# KiCad board RBCX.kicad_pcb (continued)
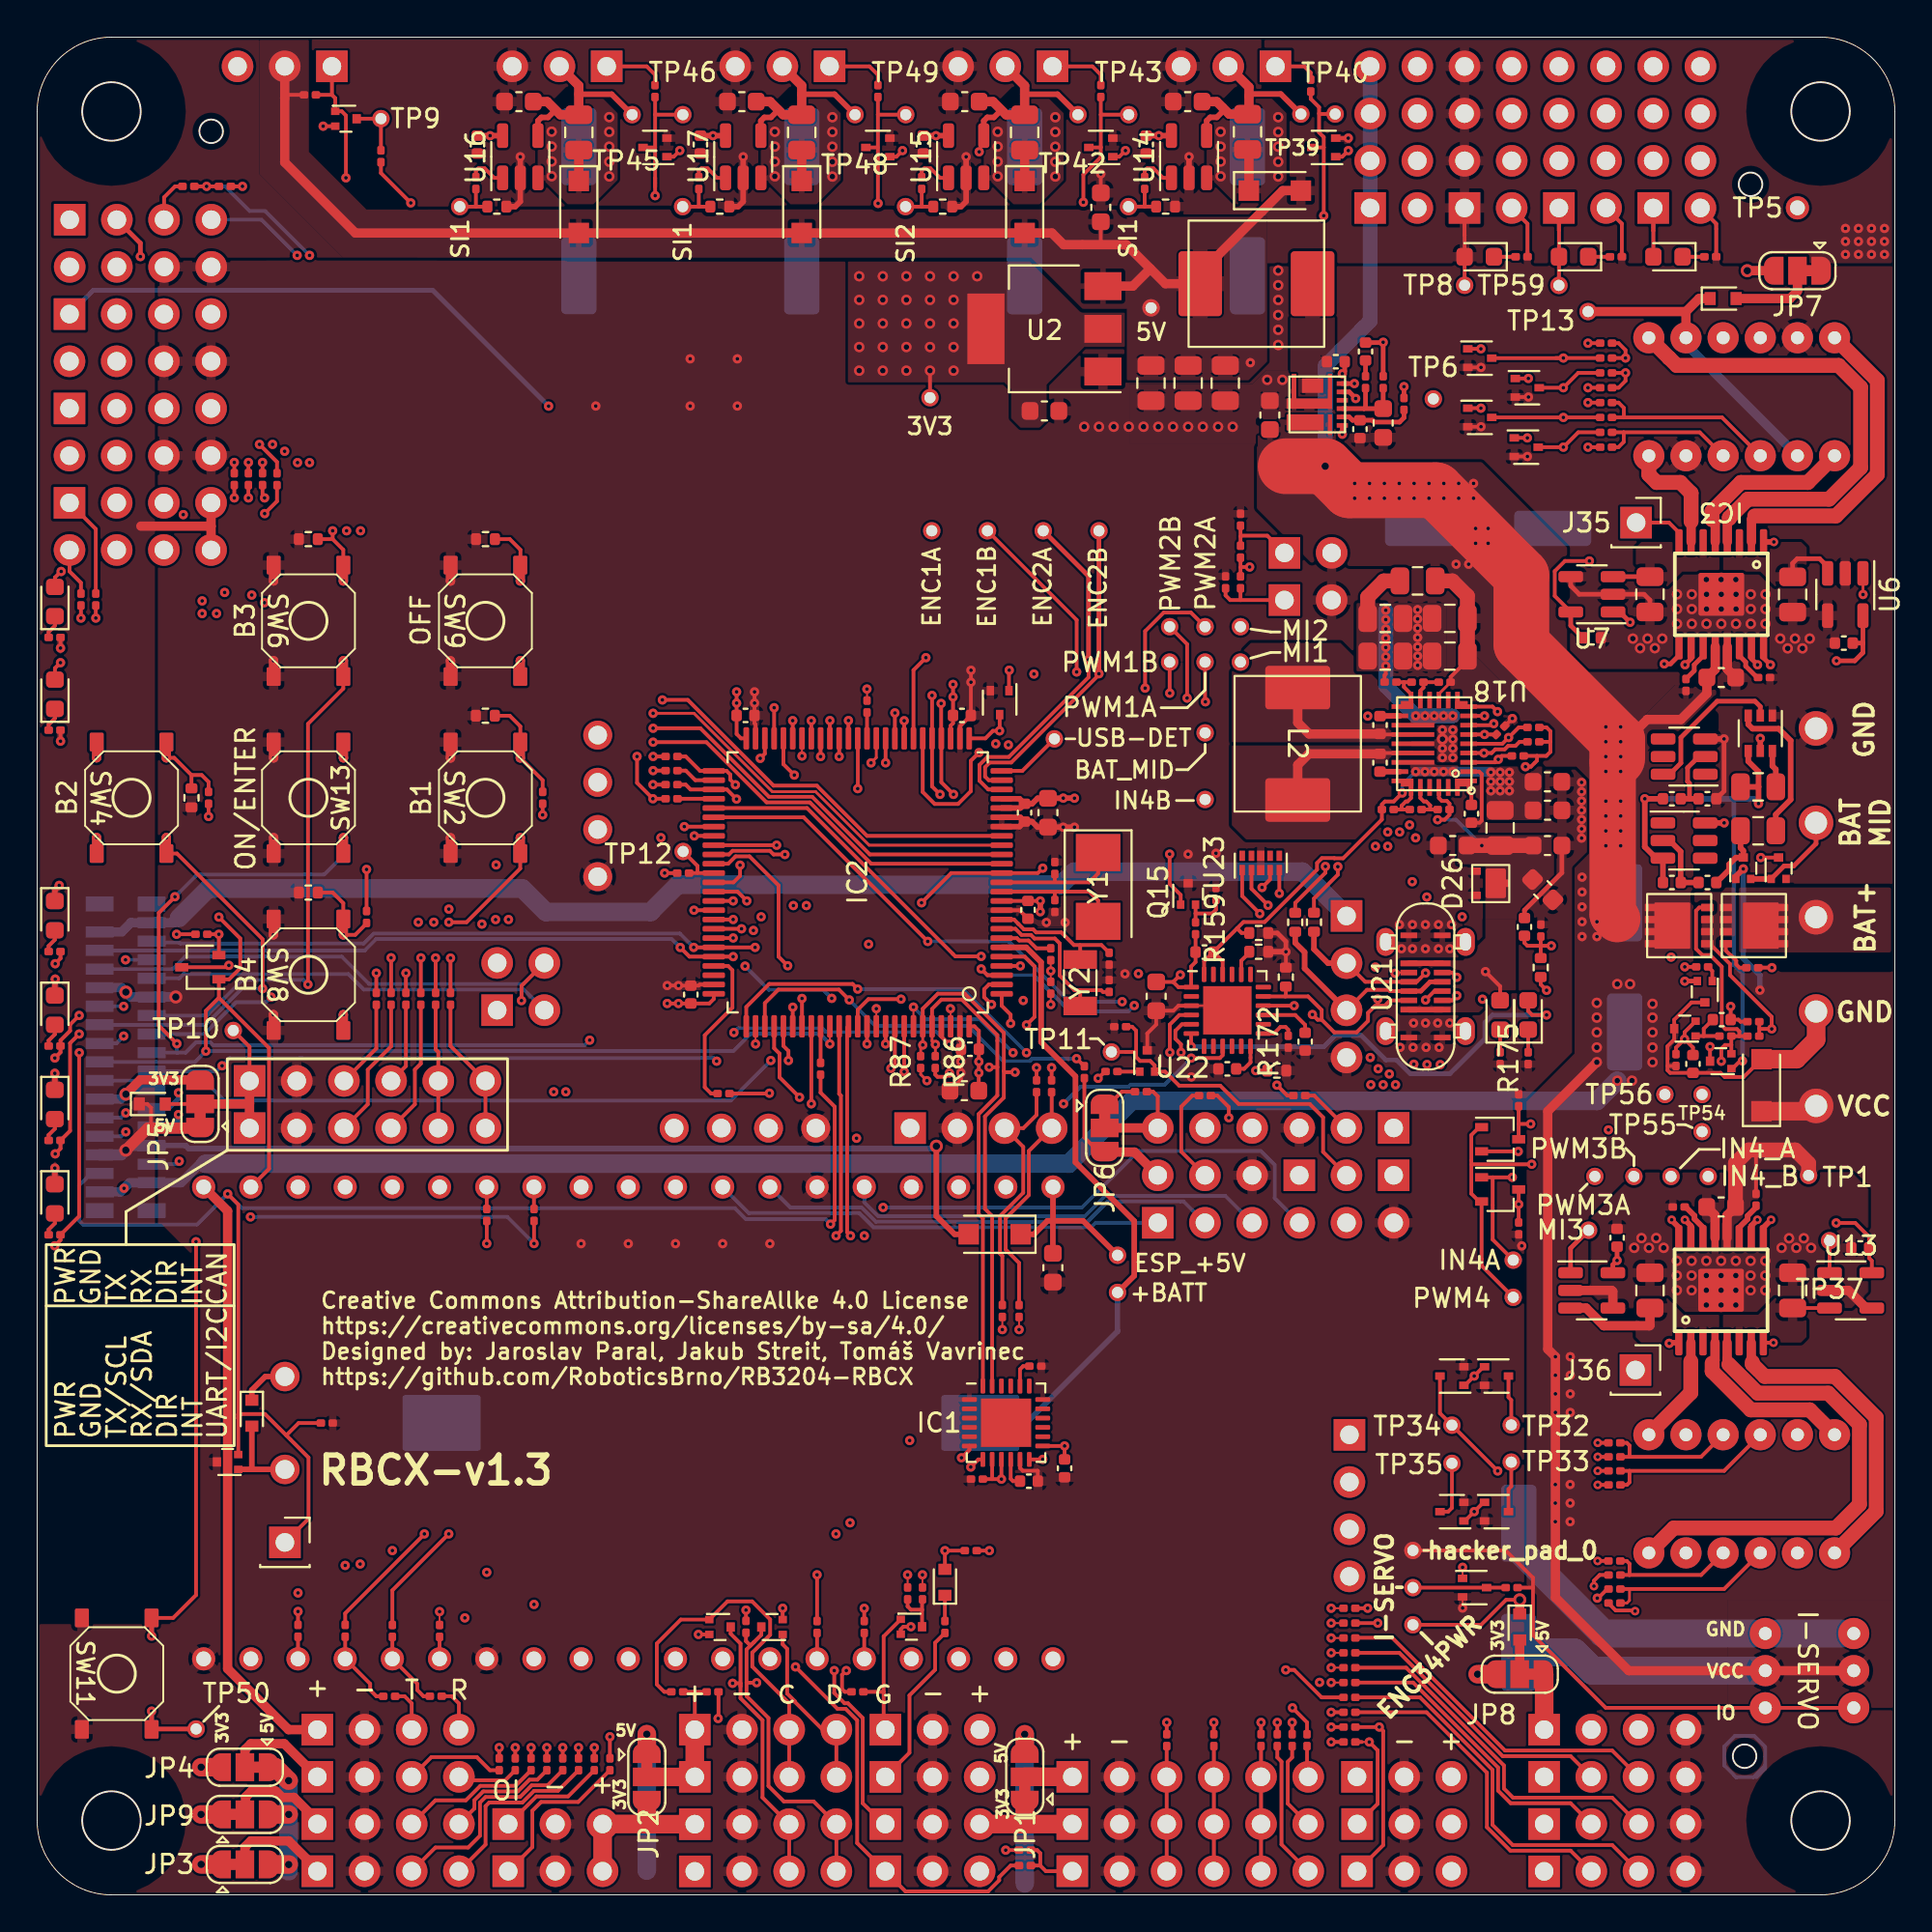
[diagram p0: board, top side]
## Routing (per net, layer and track width the routed paths; a pad name or vN(x,y) marks a point on that pad's centre or on a via; arc(x,y) is an arc through that point) (continued)
/Coprocessor/UTS4_ECHO: length 84.1
  Top w0.1: 70.32,15.43 v1(69.66,15.43)
  Top w0.2: v1(47.94,51.32) 41.26,58 IC2.56
  In1.Cu w0.15: v1(75.53,44.69) 76.12,44.1 76.12,33.19 69.09,26.17 69.09,15.99 v1(69.66,15.43)
  In2.Cu w0.1: v1(75.53,44.69) 76.44,44.69 77.62,45.87 77.62,47.16 77.09,47.69 72.09,47.69 70.93,46.53 68.08,46.53 66.2,48.42 58.74,48.42 v1(58.41,48.08)
  Bottom w0.2: v1(58.41,48.08) 55.55,48.08 52.31,51.32 v1(47.94,51.32)
/Coprocessor/UTS4_TRIG: length 62.3
  Top w0.1: 70.32,14.63 v1(69.66,14.63)
  Top w0.2: v1(50.82,49.84) 51.16,49.5 IC2.3
  In1.Cu w0.15: v1(74.82,44.7) 74.82,43.99 75.84,42.97 75.84,33.31 68.81,26.27 68.81,15.48 v1(69.66,14.63)
  In2.Cu w0.1: v1(74.82,44.7) 74.38,45.13 72.65,45.13 71.45,46.33 68,46.33 66.12,48.22 59.4,48.22 v1(59.06,47.87)
  Bottom w0.2: v1(50.82,49.84) 51.15,49.51 53.64,49.51 55.59,47.56 58.75,47.56 v1(59.06,47.87)
/Coprocessor/V_BAT/2: length 43.7
  Top w0.2: C73.1 80.06,51.24 80.22,51.09 80.94,51.09 ; 80.94,51.09 v1(81.51,51.09) ; 80.94,51.09 R155.2 ; 80.94,51.09 80.94,51.58 R156.2 ; IC2.26 51.04,62.25 51.45,62.66 v1(51.81,62.66) 51.81,62.66 D24.3
  In1.Cu w0.15: v1(81.51,51.09) 81.51,51.9 76.7,56.71 75.48,56.71 71.63,60.57 v1(71.63,63.45)
  In2.Cu w0.15: TP53.P$1 62.87,63.17 62.88,63.18 ; 62.88,63.18 71.35,63.18 v1(71.63,63.45) ; 62.88,63.18 52.33,63.18 v1(51.81,62.66)
/Coprocessor/VUSB_DET: length 15.3
  Top w0.2: IC2.25 53.03,60.5 TP58.P$1 ; v1(60.96,56.02) 60.96,54.42 61.56,53.83 Q15.1
  In1.Cu w0.2: v1(60.96,56.02) TP58.P$1
/ENC3B/SW0: length 91
  Top w0.2: 60.32,41.28 60.32,42.98 60.07,43.23 R48.1 ; IC2.89 v1(44.67,45.8) ; 79.2,20.63 79.2,21.84 79.35,21.99 TP33.P$1 ; R105.2 v5(84.01,22.82)
  Top w0.5: 60.32,41.28 JP6.2
  In1.Cu w0.15: v1(59.28,49.59) 60.32,48.55 60.32,41.28 ; v5(84.01,22.82) 79.82,22.82 TP33.P$1 78.32,24.32 78.32,44.92 78.65,45.24 78.65,51.49 77.49,52.65 v1(76.71,52.65)
  In2.Cu w0.1: 59.26,49.02 59.28,49.04 v1(59.28,49.59) ; 59.26,49.02 67.93,49.02 70.07,51.16 71.11,51.16 72.61,52.65 v1(76.71,52.65) ; 59.26,49.02 45.63,49.02 44.67,48.05 v1(44.67,45.8)
/ESP/ESP-3V3: length 191.4
  Top w0.2: J48.1 87,89.59 87,89.59 ; 87,89.59 87,90.53 ; 87,89.59 87,88.18
  Top w0.5: J47.1 13.53,8.89 10.25,12.17 10.25,36.81 IM3.1
  In2.Cu w0.5: J48.7 J48.5 J48.3 J48.1 85.09,88.9 1.31,88.9 0.31,87.9 0.31,50.01 0.33,50 0.33,45.46 0.32,45.44 0.32,41.79 3.38,38.73 8.34,38.73 IM3.1
  Bottom w0.2: J48.1 87,89.75 87,89.74 ; 87,89.74 87,90.53 ; 87,89.74 87,88.18
/ESP/ESP-UART-RX: length 2.5
  Top w0.2: J47.4 22.7,10.3 22.31,10.69 R135.2
/ESP/ESP-UART-TX: length 2.5
  Top w0.2: R134.2 19.78,10.69 20.16,10.31 J47.3
/ESP/ESP_+5V: length 9.9
  Top w0.25: 54.68,36.28 54.68,36.29
  Top w0.3: C57.1 54.68,36.28 ; 54.68,36.28 56.3,36.28 TP51.P$1 ; 54.68,36.28 54.38,36.28 53.66,35.56 D22.1 ; IM3.19 54.68,36.29
/ESP/EXPANDER_RX: length 1.4
  Top w0.2: R141.1 41.98,12.7
/ESP/EXPANDER_TX: length 1.4
  Top w0.2: R140.1 IM3.24
/ESP/GPIO2: length 1.2
  Top w0.2: 26.74,38.1 26.74,36.92 R7.1
/ESP/I2C_SCL: length 1.2
  Top w0.2: R2.1 IM3.36
/ESP/I2C_SDA: length 1.2
  Top w0.2: R4.1 21.66,12.7
/ESP/UART_RX: length 4.2
  Top w0.2: R137.1 IM3.34 20.46,11.36 20.46,11.02 20.79,10.69 R135.1
/ESP/UART_TX: length 4.3
  Top w0.2: R134.1 18.26,10.69 17.93,11.02 17.93,11.36 16.58,12.7 R136.1
/ESP_EN: length 152.4
  Top w0.1: IC2.85 v1(42.67,45.8)
  Top w0.2: v1(9.78,52.63) 10.93,51.48 10.93,49.88 10.33,49.28 9.78,49.28 9.78,48.29 ; SW11.1 7.32,14.91 8.55,16.14 v1(8.55,35.16) ; 11.5,38.1 12.48,39.08 12.48,45.59 9.78,48.29 ; v1(9.08,45.42) 9.08,47.59 9.78,48.29 ; R78.1 v1(9.12,91.97) R75.2 ; v1(15.4,95.21) Q4.2
  Top w0.25: v1(6.16,13.93) SW11.1 ; v1(6.16,9.89) SW11.1 6.18,8.93 TP50.P$1
  In1.Cu w0.2: v1(6.16,9.89) v1(6.16,13.93) ; v1(14.66,88.25) v1(14.66,77.1) ; v1(9.78,52.63) 10.42,53.27 10.42,67.75 v1(12.23,69.56)
  In2.Cu w0.15: v1(15.4,95.21) 12.36,95.21 v1(9.12,91.97)
  In2.Cu w0.2: v1(8.55,35.16) 11.5,38.11 11.5,38.1 ; v1(12.23,69.56) 12.23,69.57 14.66,72 v1(14.66,77.1)
  Bottom w0.2: X2.15 8.5,44.84 v1(9.08,45.42) 37.47,45.42 38.4,46.34 42.13,46.34 v1(42.67,45.8) ; v1(9.12,91.97) 10.12,91.97 11.44,90.64 12.27,90.64 14.66,88.25 v1(14.66,88.25)
  Bottom w0.25: SW11.1 v1(6.16,13.93) ; v1(6.16,9.89) SW11.1
/GPIO6/TMS: length 85.8
  Top w0.2: R39.1 v1(29.99,7.93) ; R1.1 v1(33.16,61.28)
  In1.Cu w0.2: v1(33.16,61.28) 31.96,60.08 31.96,41.01 33.6,39.37 34.81,39.37 36.08,38.1 ; 36.08,38.1 33.09,35.11 33.09,11.72 31.34,9.97 31.34,8.33 30.94,7.93 v1(29.99,7.93) ; 36.08,38.1 IM3.12
  Bottom w0.2: J25.1 56.97,36.18 56.73,35.93 45.02,35.93 44.26,36.7 38.31,36.7 IM3.12
/GPIO7/TCK: length 76.9
  Top w0.1: R35.1 v1(47.66,17.23)
  Top w0.2: R3.1 v1(33.16,60.52)
  In1.Cu w0.2: v1(47.66,17.23) 46.48,18.4 46.48,36.9 45.28,38.1 IM3.15 43.34,38.1 41.76,39.68 39.09,39.68 38.1,40.67 38.1,41.93 33.05,46.98 33.05,58.19 33.67,58.8 33.67,60.01 v1(33.16,60.52)
  Bottom w0.2: J25.3 63.95,37.63 57.5,37.63 56.4,36.53 45.27,36.53 44.52,37.28 IM3.15
/I2C-SCL: length 90.6
  Top w0.15: IC2.95 v1(47.67,45.75) 47.56,45.64 47.56,45.21
  Top w0.2: U22.5 61.62,46.86 61.27,46.51 61.27,46.08 61.57,45.78 v1(61.57,45.35) ; v1(52.64,44.28) 52.1,44.28 52.04,44.34 ; 52.04,44.34 52.04,42.92 51.02,41.9 51.02,36.93 51.41,36.54 IC1.23 ; 52.04,44.34 52.04,46.4 49.93,48.51 48.49,48.51 47.67,47.7 IC2.95 ; U18.4 v1(77.88,61.46) 78.29,61.46 78.49,61.66 79,61.66 79.18,61.85 79.58,61.85 79.8,62.07 R85.1
  In1.Cu w0.15: v1(51.6,61.96) 51.6,60.53 50.32,59.25 50.32,51.92 48.1,49.71 48.1,46.18 v1(47.67,45.75)
  In2.Cu w0.15: v1(77.88,61.46) 77.88,61.04 76.85,60.01 72.34,60.01 70.59,61.76 56.21,61.76 55.04,62.93 52.68,62.93 51.72,61.96 v1(51.6,61.96) ; v1(61.57,45.35) 59.74,43.51 53.41,43.51 v1(52.64,44.28)
/I2C-SCL-CON: length 68.8
  Top w0.15: v1(47.9,43.83) 47.56,44.16 47.56,44.57
  Top w0.2: v1(26.07,48.14) 26.07,48.93 27.3,50.16
  In1.Cu w0.2: 30,59.69 27.3,57 27.3,50.16
  In2.Cu w0.1: v1(47.9,43.83) 47.54,43.83 47.34,43.63 39.19,43.63 36.83,41.27
  In2.Cu w0.2: 36.83,41.27 35.61,40.05 29.55,40.05 26.07,43.53 v1(26.07,48.14)
  Bottom w0.2: X2.25 7.29,49.84 7.96,50.51 16.4,50.51 17.87,49.03 26.17,49.03 27.3,50.16
/I2C-SDA: length 89.3
  Top w0.15: 48.35,45.21 v1(48.35,45.78) 48.17,45.96 IC2.96
  Top w0.2: 51.69,44.56 51.69,46.28 49.78,48.19 48.67,48.19 48.17,47.69 IC2.96 ; 51.69,44.56 51.68,44.55 v1(51.25,44.55) ; 51.69,44.56 51.69,43.03 50.68,42.03 50.68,36.65 50.91,36.42 IC1.24 ; v1(60.97,45.35) 60.97,46.85 61.49,47.36 U22.4 ; U18.3 78.49,60.96 v1(78.65,61.12) 78.84,61.31 R84.1
  In1.Cu w0.15: v1(52.28,61.9) 52.28,60.86 50.57,59.14 50.57,51.82 48.35,49.6 v1(48.35,45.78)
  In2.Cu w0.15: v1(78.65,61.12) 78.46,60.93 78.12,60.93 75.99,58.79 73.2,58.79 70.49,61.51 52.68,61.51 v1(52.28,61.9) ; v1(51.25,44.55) 51.42,44.73 53.31,44.73 53.68,45.1 54.99,45.1 55.67,44.42 58.43,44.42 59.36,45.35 v1(60.97,45.35)
/I2C-SDA-CON: length 71.6
  Top w0.2: v1(49.11,44.24) 48.9,44.03 48.47,44.03 48.35,44.15 R86.2
  In1.Cu w0.1: 30,62.23 28.73,60.97 28.73,59.99
  In1.Cu w0.2: 27.3,47.62 26.16,48.77 26.16,56.37 28.73,58.95 28.73,60.98 IM1.4
  In2.Cu w0.1: IM2.4 36.85,43.83 47.21,43.83 47.68,44.3 48.51,44.3 48.57,44.24 v1(49.11,44.24)
  In2.Cu w0.2: 27.3,47.62 27.3,42.77 28.8,41.27 IM2.4
  Bottom w0.2: X2.24 7.65,49.34 7.88,49.57 16.75,49.57 17.58,48.73 26.19,48.73 27.3,47.62
/I_LED/TDI: length 90.8
  Top w0.2: R5.1 v1(33.15,59) 32.29,59.86 v1(32.29,61.28) ; v1(20.11,91.08) 18.51,92.68 R43.1
  In1.Cu w0.15: v1(32.29,61.28) 31.98,61.59 31.98,79.21 v1(20.11,91.08)
  In1.Cu w0.2: v1(33.15,59) 32.7,58.55 32.7,44.85 35.55,42 35.55,40.66 36.15,40.07 37.48,40.07 IM3.13
  Bottom w0.2: J25.2 61.71,37.33 57.63,37.33 56.53,36.23 45.15,36.23 44.38,37 40.55,37 IM3.13
/Motors/ENC12PWR: length 17.1
  Top w0.5: 88.76,85.23 TP13.P$1 ; 88.76,85.23 89.46,85.93 D4.1 ; 88.76,85.23 U4.5
  Bottom w0.5: U5.5 88.76,83.47 U4.5
/Motors/ENC34PWR: length 33
  Top w0.2: TP24.P$1 77.73,14.54 79.07,15.88 v2(79.81,15.88)
  Top w0.5: D9.1 v2(79.81,15.88)
  In2.Cu w0.5: 82.98,17.85 81.01,15.88 v2(79.81,15.88) ; 82.98,17.85 88.76,23.63 U8.5 88.69,24.77 ; 82.98,17.85 83.61,17.22 93.57,17.22 U9.5
/Motors/ENC_1A: length 7.7
  Top w0.2: R88.2 85.13,83.53 85.5,83.15 v1(85.5,82.73) R92.1
  In1.Cu w0.1: v1(85.5,82.73) 89.67,82.73 U4.4
/Motors/ENC_1B: length 10.1
  Top w0.2: R89.1 85.13,81.13 85.5,81.5 v1(85.5,81.93) R93.1
  In1.Cu w0.1: v1(85.5,81.93) 90.87,81.93 U4.3
/Motors/ENC_2A: length 10.1
  Top w0.2: 85.41,79.53 85.41,80.04 85.13,80.33 R90.2 ; 85.41,79.53 R94.1 ; 85.41,79.53 90.7,79.53 U5.4
/Motors/ENC_2B: length 7.8
  Top w0.2: 85.4,78.73 89.5,78.73 U5.3 ; 85.4,78.73 R95.1 ; 85.4,78.73 85.41,78.72 85.41,78.21 85.12,77.93 R91.1
/Motors/ENC_3A: length 7.2
  Top w0.2: R104.1 89.57,23.58 U8.4 ; 85.72,23.58 85.72,24.18 85.57,24.33 R100.2
/Motors/ENC_3B: length 9.5
  Top w0.2: U8.3 90.81,22.82 85.72,22.82 ; 85.72,22.82 85.72,22.21 85.58,22.07 R101.1 ; 85.72,22.82 R105.1
/Motors/ENC_4A: length 15.1
  Top w0.1: 90.81,16.46 R106.1
  Top w0.15: 85.72,16.46 85.72,15.85 85.58,15.71 R102.2
  Top w0.2: U9.4 90.81,16.46 R106.1
/Motors/ENC_4B: length 7.2
  Top w0.2: 85.72,17.22 85.72,17.82 85.57,17.97 R103.1 ; U9.3 89.57,17.22 R107.1
/Motors/IN4_A: length 18.7
  Top w0.2: R99.2 v1(79.75,37.17) U10.3
  Top w0.3: IC4.9 92.92,35.92 v5(93.34,36.34)
  In1.Cu w0.2: 87.95,37.17 89.45,37.17 90.76,35.87 92.87,35.87 v5(93.34,36.34) ; 87.95,37.17 TP30.P$1 ; 87.95,37.17 v1(79.75,37.17)
/Motors/IN4_B: length 21.2
  Top w0.15: U11.3 R98.2
  Top w0.2: U11.3 R98.2 ; 79.75,41.49 79.76,41.5 v1(80.4,41.5)
  Top w0.3: v5(92.6,36.34) 92.27,36.01 IC4.10
  In1.Cu w0.2: v5(92.6,36.34) 92.29,36.34 TP31.P$1 89.28,39.34 87.62,39.34 86.21,37.93 83.3,37.93 80.4,40.83 v1(80.4,41.5)
/Motors/M1A: length 26.4
  Top w0.5: IC3.4 90.98,74.05 91.06,74.13
  Top w0.8: 91.09,74.09 91.09,74.14 92.08,75.13 96.46,75.13 98.16,76.83 98.16,81.15 96.97,82.33 88.26,82.33 87.86,82.73 87.85,82.73 U4.6
/Motors/M1B: length 17.3
  Top w0.5: IC3.2 92.28,74.05 92.46,74.23
  Top w0.8: U4.1 99.06,81.52 99.06,76.46 96.83,74.23 92.46,74.23
/Motors/M1GND: length 3.3
  Top w0.25: R96.2 94.5,71.68 94.75,71.93 95.95,71.93 96.38,71.49 96.38,71.14
/Motors/M2A: length 9.6
  Top w0.5: IC3.5 90.33,73.85 90.16,74.03
  Top w0.8: 90.16,74.03 90.16,74.47 91.71,76.03 95.32,76.03 U5.6
/Motors/M2B: length 6.3
  Top w0.5: IC3.7 89.03,73.93
  Top w0.8: U5.1 86.76,76.45 87.18,76.03 88.46,76.03 89.03,75.45 89.03,73.93
/Motors/M2GND: length 2
  Top w0.25: U7.3 R97.2
/Motors/M3A: length 5.9
  Top w0.5: IC4.2 89.02,28.72 89.02,28.72
  Top w0.8: 89.02,28.72 89.02,27.03 U8.6
/Motors/M3B: length 9.6
  Top w0.5: 90.17,28.62 90.32,28.77 IC4.4
  Top w0.8: 90.17,28.62 90.17,28.19 92.25,26.11 95.42,26.11 U8.1
/Motors/M3GND: length 5.6
  Top w0.5: U12.3 83.38,31.59 84.34,30.63 86.79,30.63 86.82,30.66 R108.2
/Motors/M4A: length 17.2
  Top w0.5: 92.33,28.68 92.27,28.73 IC4.7
  Top w0.8: U9.6 99,20.65 99,25.7 96.78,27.91 92.99,27.91 92.33,28.57 92.33,28.68
/Motors/M4B: length 26
  Top w0.5: 91.03,28.8 90.97,28.85 IC4.5
  Top w0.8: U9.1 88.09,19.75 96.82,19.75 98.09,21.02 98.09,25.32 96.41,27.01 92.62,27.01 91.07,28.56
/Motors/M4GND: length 2
  Top w0.2: U13.3 R109.2
/Motors/~{M12_FAULT}: length 3
  Top w0.2: IC3.8 88.38,73.33 87.84,73.87 J35.1
/Motors/~{M34_FAULT}: length 8.6
  Top w0.2: v5(93.47,29.72) IC4.8
  In1.Cu w0.2: J36.1 92,28.25 v5(93.47,29.72)
/NRST: length 123.1
  Top w0.2: v1(54.13,55.27) 53.87,55 IC2.14 49.21,55 v1(47.61,53.4)
  In1.Cu w0.15: v1(47.61,53.4) 45.64,53.4 37.12,44.88 v1(36.58,44.88) ; J24.5 62.86,48.83 56.42,55.27 v1(54.13,55.27)
  In1.Cu w0.2: v1(9.96,44.63) 9.96,46.18 9.16,46.98 9.16,55.23 9.96,56.03 9.96,68.37 v1(11.55,69.97) ; v1(14.02,77.1) 14.02,88.23 v1(14,88.25)
  In2.Cu w0.2: v1(11.55,69.97) 12.05,70.46 12.05,70.8 14.02,72.77 v1(14.02,77.1)
  Bottom w0.2: 14.15,45.05 14.29,45.05 ; 14.15,45.05 36.41,45.05 v1(36.58,44.88) ; 14.15,45.05 10.38,45.05 v1(9.96,44.63) 9.66,44.34 X2.14 ; J33.7 12.08,90.17 v1(14,88.25)
/Power/Battery Manager/BAT+_PROTECTED: length 13.6
  Top w0.2: Q14.3 90.04,51.2 91.13,50.11 91.13,49.51 93.37,47.26 v1(93.37,46.61) 92.72,46.61 92.7,46.63 ; 92.7,46.63 R165.2 ; 92.7,46.63 R163.1
  In1.Cu w0.2: TP54.P$1 89.62,44.47 91.76,46.61 v1(93.37,46.61)
/Power/Battery Manager/BAT_MID: length 5.4
  Top w0.25: Q10.1 94.04,55.39 94.56,55.39 95.76,56.58 X3.2
  Top w0.3: Q9.2 Q10.1
/Power/Battery Manager/BAT_MID_PROTECTED: length 53.3
  Top w0.2: v1(81.25,48.69) 80.94,49.01 R155.1 ; Q11.1 91.26,44.48 91.67,44.89 v1(91.8,44.89)
  Top w0.3: Q13.4 92.11,61.02 92.66,60.46 92.66,59.64 ; C83.1 87.52,55.8 U20.3 87.15,55.8 86.54,56.41 86.54,59 v1(86.54,59) R161.2 ; v1(92.66,58.74) 92.66,59.64 ; 92.66,59.64 R167.1
  In1.Cu w0.15: v1(81.25,48.69) 81.25,48.66 81.72,48.19 81.72,44.64 86.28,40.08 89.53,40.08 91.8,42.35 v1(91.8,44.89)
  Bottom w0.2: 90.06,58.99 90.07,59
  Bottom w0.25: 90.06,58.99 91.34,58.99 91.34,50.08 91.8,49.61 91.8,44.89 v1(91.8,44.89)
  Bottom w0.3: v1(92.66,58.74) 92.4,59 v1(86.54,59)
/Power/Battery Manager/NTC: length 21.5
  Top w0.2: R154.1 64.78,73.12 ; 64.78,73.12 64.82,73.16 66.22,73.16 J51.1 ; 64.78,73.12 R151.2 ; v1(78.61,63.69) 78.34,63.96 U18.9
  In1.Cu w0.2: v1(78.61,63.69) 77.59,64.72 73.06,64.72 68.62,69.15 68.62,70.76 J51.1
/Power/Battery Manager/PWRON: length 16.5
  Top w0.15: 91.24,46.12 91.09,46.12
  Top w0.2: 91.63,46.22 91.2,46.22 ; 91.63,46.22 92.04,46.22 ; 91.63,46.22 91.63,46.48 91.5,46.6 90.88,46.6 90.68,46.8 90.68,49.96 90.06,50.59 89.64,50.59 89.3,50.93 89.3,52.97 89.47,53.15 Q14.2 ; 91.2,45.75 90.86,45.75 90.66,45.54 v1(90.66,44.87) ; 91.2,45.75 91.2,45.28 Q11.2 ; 91.2,45.75 R166.2
  In1.Cu w0.2: TP55.P$1 90.66,42.12 v1(90.66,44.87)
/Power/Battery Manager/PWRSW: length 2.4
  Top w0.2: 89.71,46.23 89.71,46.62 90.2,47.11 ; 89.71,46.23 89.27,46.23 ; 89.71,46.23 R166.1
/Power/Battery Manager/TS/IMON: length 19.7
  Top w0.2: 64.78,69.7 64.22,69.7 63.97,69.95 R157.1 ; 64.78,69.7 J52.1 ; 64.78,69.7 R152.2 ; v1(78.41,63.05) 78.33,62.96 U18.7
  In1.Cu w0.2: v1(78.41,63.05) 78.38,63.01 77.42,63.01 76.33,64.1 72.74,64.1 J52.1
/Servos/Classic Sevo 1/SERVO: length 2.4
  Top w0.2: 68.56,97.71 68.56,98.08 68.21,98.43 J37.1
/Servos/Classic Sevo 1/SERVO-PWR: length 11.2
  Top w0.3: 63.82,96.21 63.82,96 63.5,95.68 63.14,95.68 62.96,95.5 U14.4 ; 65.23,96.83 65.34,96.94 66.95,96.94 TP39.P$1
  Top w0.5: C44.1 63.5,96.53 64.17,95.85 65.23,95.85 65.23,97.31 J37.2
/Servos/Classic Sevo 1/SERVO_PWR: length 2.2
  Top w0.5: 65.23,91.73 65.23,93.95
  vias: v3(63.71,94.91) v3(63.71,94.11) v3(63.71,93.3) v3(63.71,92.51) v3(66.81,95.69) v3(66.81,94.9) v3(66.81,94.1) v3(66.81,93.29) v3(66.81,92.5)
/Servos/Classic Sevo 2/SERVO: length 3.3
  Top w0.2: R115.1 57.26,97.97 56.8,98.43 J38.1
/Servos/Classic Sevo 2/SERVO-PWR: length 11.2
  Top w0.3: 53.16,96.93 54.93,96.93 TP42.P$1 ; U15.4 50.96,95.5 51.14,95.68 51.5,95.68 51.82,96 51.82,96.2
  Top w0.5: C48.1 51.46,96.53 52.17,95.82 53.15,95.82 R114.1 53.16,97.39 J38.2
  vias: v1(50.71,93.83)
/Servos/Classic Sevo 2/SERVO_PWR: length 1.7
  Top w0.5: D16.1 R114.2
  vias: v3(51.71,94.91) v3(51.71,94.11) v3(51.71,93.3) v3(51.71,92.51) v3(54.81,95.69) v3(54.81,94.9) v3(54.81,94.1) v3(54.81,93.29) v3(54.81,92.5)
/Servos/Classic Sevo 3/SERVO: length 3.3
  Top w0.2: J40.1 44.8,98.43 45.26,97.97 R121.1
/Servos/Classic Sevo 3/SERVO-PWR: length 11.2
  Top w0.3: TP48.P$1 42.93,96.93 41.16,96.93 ; U17.4 38.96,95.5 39.14,95.68 39.5,95.68 39.82,96 39.82,96.2
  Top w0.5: C56.1 39.46,96.53 40.16,95.82 R120.1 41.16,97.39 J40.2
/Servos/Classic Sevo 3/SERVO_PWR: length 1.7
  Top w0.5: D20.1 R120.2
  vias: v3(39.71,94.91) v3(39.71,94.11) v3(39.71,93.3) v3(39.71,92.51) v3(42.81,95.69) v3(42.81,94.9) v3(42.81,94.1) v3(42.81,93.29) v3(42.81,92.5)
/Servos/Classic Sevo 4/SERVO: length 3.3
  Top w0.2: 30.67,98.43 32.81,98.43 33.27,97.97 33.27,97.42
/Servos/Classic Sevo 4/SERVO-PWR: length 11.2
  Top w0.3: U16.4 26.96,95.5 27.14,95.68 27.5,95.68 27.82,96 27.82,96.2 ; TP45.P$1 30.93,96.93 29.16,96.93
  Top w0.5: J39.2 29.16,97.39 R117.1 28.16,95.82 27.46,96.53 C52.1
/Servos/Classic Sevo 4/SERVO_PWR: length 1.7
  Top w0.5: D18.1 R117.2
  vias: v3(27.7,94.91) v3(27.7,94.11) v3(27.7,93.31) v3(27.7,92.51) v3(30.8,95.69) v3(30.8,94.9) v3(30.8,94.11) v3(30.8,93.29) v3(30.8,92.5)
/Servos/ISERVO: length 29.9
  Top w0.2: 80.52,16.54 80.52,17.07 79.06,18.54 TP3.P$1 ; 80.52,16.54 R142.1 ; 80.52,16.54 80.52,13.98 84.44,10.07 JP10.1 JP11.1
/Servos/SERVO_1: length 80.8
  Top w0.2: IC2.63 37.49,54.5 37.84,54.85 v1(37.84,55.43) ; TP40.P$1 69.03,95.86 69.01,95.88 ; 69.01,95.88 69.01,96.23 68.56,96.68 R112.2 ; 69.01,95.88 69.01,94.87 69.26,94.62 69.26,94.06 ; 69.26,94.06 68.61,94.06 ; 69.26,94.06 v1(69.26,90.39)
  In1.Cu w0.15: v1(69.26,90.39) 68.44,89.57 35.91,89.57 34.05,87.72 34.05,66.04 36.87,63.22 36.87,56.39 v1(37.84,55.43)
/Servos/SERVO_2: length 70.2
  Top w0.2: 57.26,94.06 57.26,93.54 56.32,92.6 v1(56.32,91.11) ; 57.26,94.06 57.26,95.83 ; 57.26,94.06 56.61,94.06 ; 57.26,95.83 R115.2 ; 57.26,95.83 TP43.P$1 ; v1(38.2,53.5) 37.7,54 IC2.64
  In1.Cu w0.15: v1(56.32,91.11) 55.03,89.82 35.8,89.82 33.8,87.82 33.8,65.94 36.58,63.16 36.58,55.12 v1(38.2,53.5)
/Servos/SERVO_3: length 58
  Top w0.2: 45.26,95.83 45.26,91.06 v1(45.27,91.05) ; 45.26,95.83 R121.2 ; 45.26,95.83 TP49.P$1 ; IC2.65 v1(37.47,53.5) ; 44.61,94.06 45.26,94.06
  In1.Cu w0.15: v1(37.47,53.5) 36.28,54.69 36.28,63.1 33.55,65.83 33.55,87.93 35.7,90.07 44.29,90.07 v1(45.27,91.05)
/Servos/SERVO_4: length 48.8
  Top w0.2: 33.27,91.93 33.27,92.42 ; IC2.66 v1(35.36,53) ; 33.27,95.84 33.27,96.78 ; 33.27,95.84 33.27,92.42 ; 33.27,95.84 33.28,95.83 TP46.P$1 ; 33.27,92.42 v1(33.27,91.47) ; 32.62,94.06 33.27,94.06
  In1.Cu w0.15: v1(33.27,91.47) 33.3,91.43 33.3,65.73 35.97,63.06 35.97,53.62 v1(35.36,53)
/Servos/SI1: length 81.5
  Top w0.2: C43.1 59.62,90.88 ; 59.62,90.88 R110.2 ; 59.62,90.88 TP38.P$1 ; v1(33.66,64.32) 35.02,64.32 39.64,59.71 41.97,59.71 44.67,57 IC2.18
  In1.Cu w0.15: v1(33.66,64.32) 33.05,64.93 33.05,91.02 32.8,91.27 32.8,91.66 33.06,91.92 33.44,91.92 33.73,91.63 33.73,90.47 34.33,89.87 35.14,89.87 35.6,90.32 43.94,90.32 45.09,91.48 45.56,91.48 45.92,91.12 45.92,90.57 46.41,90.07 54.62,90.07 56.11,91.56 57.17,91.56 57.85,90.88 TP38.P$1
/Servos/SI2: length 69.5
  Top w0.15: IC2.17 44.79,56.5 41.91,59.38 39.58,59.38 35.36,63.6 v1(33.16,63.6)
  Top w0.2: 47.62,91.83 47.62,90.88 ; 47.62,90.88 48.24,90.88 ; 47.62,90.88 46.75,90.88
  In1.Cu w0.15: v1(33.16,63.6) 32.77,63.99 32.77,90.95 32.55,91.16 32.55,91.77 32.96,92.17 33.54,92.17 33.98,91.74 33.98,90.57 34.43,90.12 35.04,90.12 35.49,90.57 43.83,90.57 45,91.74 45.88,91.74 TP41.P$1
/Servos/SI3: length 57.1
  Top w0.2: v1(33.16,62.8) 35.7,62.8 39.39,59.11 41.72,59.11 44.83,56 IC2.16 ; 35.62,90.88 34.75,90.88 ; 35.62,90.88 35.62,91.83 ; 35.62,90.88 36.24,90.88
  In1.Cu w0.15: v1(33.16,62.8) 32.51,63.44 32.51,90.85 32.3,91.06 32.3,91.87 32.85,92.42 33.82,92.42 34.75,91.49 TP47.P$1
/Servos/SI4: length 57.1
  Top w0.2: 24.24,90.88 23.62,90.88 ; 23.62,90.88 22.75,90.88 ; 23.62,90.88 23.62,91.83 ; IC2.15 44.9,55.5 41.6,58.81 39.27,58.81 36.03,62.05 v1(33.16,62.05)
  In1.Cu w0.15: v1(33.16,62.05) 32.24,62.96 32.24,81.38 TP44.P$1
/SPI_~{SS3}/TDO: length 142.5
  Top w0.2: R6.1 v1(33.15,59.76) ; R40.1 v1(66.76,9.28)
  In1.Cu w0.2: v1(66.76,9.28) 66.76,27.1 67.94,28.29 67.94,36.2 ; v1(33.15,59.76) 32.34,58.95 32.34,41.17 33.78,39.73 37.05,39.73 38.1,38.67 38.1,37.88 38.98,37 v1(45.54,37) 45.54,14.23 IM3.23
  In2.Cu w0.15: v1(66.76,9.28) 67.3,8.74 67.99,8.74 68.46,9.21 68.46,10.21 67.52,11.14 66.72,11.14 61.99,15.87 50.23,15.87 IM3.23
  Bottom w0.2: J25.4 66.62,37.5 66.62,39.3 65.87,40.04 59.29,40.04 56.25,37 v1(45.54,37)
/STM connecors/STM-UART-RX: length 3.3
  Top w0.2: R129.2 25.2,6.17 22.89,6.17 J44.4
/STM connecors/STM-UART-TX: length 5.4
  Top w0.2: J44.3 21.22,7.41 23.67,7.41 24.38,6.71 R128.2
/STM connecors/STM_UART_PWR: length 5.7
  Top w0.5: J44.1 13.3,8.14 11.51,8.14 11.19,7.82 11.19,6.87
/STM connecors/UTS1-ECHO: length 20.9
  Top w0.2: 86.2,1.26 84.79,2.68 79.43,2.68 78.34,3.77 78.34,6.73 74.44,10.63 R123.2
/STM connecors/UTS1-TRIG: length 18
  Top w0.2: R122.2 74.79,9.83 78.04,6.57 78.04,3.64 79.31,2.38 82.55,2.38 J41.2
/STM connecors/UTS2-ECHO: length 19.5
  Top w0.2: R127.2 73.69,12.23 78.96,6.96 78.96,5.72 79.44,5.23 84.78,5.23 86.2,3.81
/STM connecors/UTS2-TRIG: length 16.6
  Top w0.2: J43.2 82.54,4.93 79.32,4.93 78.64,5.61 78.64,6.85 74.07,11.43 R126.2
/STM connecors/UTS3-ECHO: length 18.3
  Top w0.2: R131.2 70.97,13.84 72.95,13.84 79.02,7.77 84.79,7.77 86.2,6.35
/STM connecors/UTS3-TRIG: length 15.5
  Top w0.2: R130.2 73.33,13.03 78.89,7.47 82.55,7.47 J45.2
/STM connecors/UTS4-ECHO: length 20
  Top w0.2: v1(71.62,15.43) R133.2
  In2.Cu w0.2: 86.2,8.89 84.78,7.47 78.17,7.47 71.62,14.02 v1(71.62,15.43)
/STM connecors/UTS4-TRIG: length 16.4
  Top w0.2: v1(72.17,14.63) R132.2
  In2.Cu w0.2: J46.2 82.54,7.77 78.3,7.77 72.17,13.9 v1(72.17,14.63)
/STM_AIO1: length 79.3
  Top w0.1: 48.66,62.26 IC2.29
  Top w0.2: R124.1 v1(3.16,68.73) ; IC2.29 48.67,59.89 v1(49.33,59.24) ; v1(48.66,64.13) 48.66,62.26 ; v1(70.02,55.35) 70.02,54.92 68.73,53.63 R145.2
  In2.Cu w0.15: v1(49.33,59.24) 50.37,58.2 67.4,58.2 70.02,55.58 v1(70.02,55.35)
  In2.Cu w0.2: v1(48.66,64.13) 48.66,65.09 46.27,67.48 4.4,67.48 v1(3.16,68.73)
/STM_AIO2: length 79.6
  Top w0.2: v1(69.35,55.36) 69.35,55.02 67.72,53.39 R146.1 ; v1(48.17,64.56) IC2.30 48.17,59.67 v1(48.6,59.24) ; R125.2 v1(2.36,68.73)
  In2.Cu w0.15: v1(69.35,55.36) 66.76,57.95 49.89,57.95 v1(48.6,59.24)
  In2.Cu w0.2: v1(48.17,64.56) 48.17,65.16 46.15,67.18 3.9,67.18 v1(2.36,68.73)
/STM_SPI_MISO: length 30.3
  Top w0.2: v1(37.65,58.99) 37.64,58.99 37.13,59.5 IC2.53 35.17,59.5 34.91,59.76 R6.2 ; R51.1 v1(22.25,50.43)
  In1.Cu w0.15: v1(38.56,51.91) 38.53,51.94 38.53,53.2 38.69,53.36 38.69,57.94 v1(37.65,58.99)
  In2.Cu w0.15: v1(38.56,51.91) 37.71,51.06 36.76,51.06 36.27,51.56 23.38,51.56 v1(22.25,50.43)
/STM_SPI_~{CS}: length 32.6
  Top w0.2: R1.2 34.91,61.28 35.69,60.5 IC2.51 37.11,60.5 37.31,60.3 37.31,60.03 v1(37.59,59.75) ; v1(21.45,50.43) 21.45,50.43 R50.1
  In1.Cu w0.15: v1(37.59,59.75) 38.97,58.37 v1(38.97,52.65)
  In2.Cu w0.15: v1(21.45,50.43) 24.17,53.16 34.66,53.16 35,53.5 36.29,53.5 36.74,53.06 38.56,53.06 v1(38.97,52.65)
/USB-PD/AP-3V3: length 1.8
  Top w0.2: C81.2 64.97,44.46 65.32,44.81 65.32,45.66
/USB-PD/USB_CC1: length 53.6
  Top w0.2: U21.A5 72.83,48.15 72.53,47.85 ; 69.15,47.11 69.15,47.63 68.42,48.36 67.19,48.36 ; 69.15,47.11 69.82,46.43 71.03,46.43 71.64,47.04 71.64,47.48 72.02,47.85 72.53,47.85 ; 69.15,47.11 68.93,47.11 v1(68.65,47.39) ; v1(72.16,48.22) 72.16,47.85 72.53,47.85 ; 67.19,48.36 67.22,48.39 R177.1 ; 67.19,48.36 U22.17 ; v1(66.87,53.91) U23.5
  In1.Cu w0.15: v1(72.16,48.22) 72.56,48.22 73.37,47.41 73.37,46.64 73.76,46.25 75.62,46.25 76.64,45.23 76.64,32.99 71.73,28.08 71.73,23.31 70.64,22.22
  In1.Cu w0.2: v1(68.65,47.39) 68.65,48.69 65.33,52.01 65.33,53.05 66.07,53.79 66.38,53.79 66.5,53.91 v1(66.87,53.91)
/USB-PD/USB_CC2: length 62.1
  Top w0.2: v1(67.66,47.86) 66.02,47.86 ; U21.B5 76.17,49.65 v1(76.42,49.39) ; U23.4 66.37,54.66 v1(65.94,54.23) ; R176.1 v1(65.6,44.37)
  In1.Cu w0.15: J50.4 72.25,18.75 72.25,27.88 77.16,32.78 77.16,44.81 77.9,45.55 77.9,47.44 76.87,48.47 76.87,48.95 v1(76.42,49.39)
  In1.Cu w0.2: 65.6,47.86 65.6,51.22 65,51.82 65,53.29 v1(65.94,54.23) ; 65.6,47.86 v1(67.66,47.86) ; 65.6,47.86 v1(65.6,44.37)
  In2.Cu w0.1: v1(67.66,47.86) 68.49,48.69 75.72,48.69 v1(76.42,49.39)
/USB-PD/USB_SBU1: length 32.7
  Top w0.1: v1(73.1,49.61) 73.14,49.65 U21.A8
  In1.Cu w0.15: J50.1 70.64,27.35 76.38,33.09 76.38,44.59 75.8,45.17 73.25,45.17 73.24,45.18 72.54,45.18 71.66,46.06 71.66,48.58 72.69,49.61 v1(73.1,49.61)
/USB-PD/USB_SBU2: length 33
  Top w0.2: v1(76.42,48.41) 76.16,48.15 U21.B8
  In1.Cu w0.15: J50.3 71.99,21.03 71.99,27.98 76.9,32.89 76.9,44.92 77.64,45.67 77.64,47.18 v1(76.42,48.41)
/USB_DM: length 80.1
  Top w0.2: J49.2 71.49,49.15 U21.A7 74.26,49.15 v1(74.74,49.62) ; v1(35.34,51) IC2.70 v1(38.65,51) ; v1(74.74,48.17) 75.21,48.65 U21.B7 ; U23.2 65.37,54.16 v1(66.26,53.27)
  Top w0.3: R145.1 68.73,50.91 69.49,50.16 J49.2
  In1.Cu w0.2: v1(66.26,53.27) 69.37,50.16 J49.2